# KiCad board Keyboard.kicad_pcb (continued)
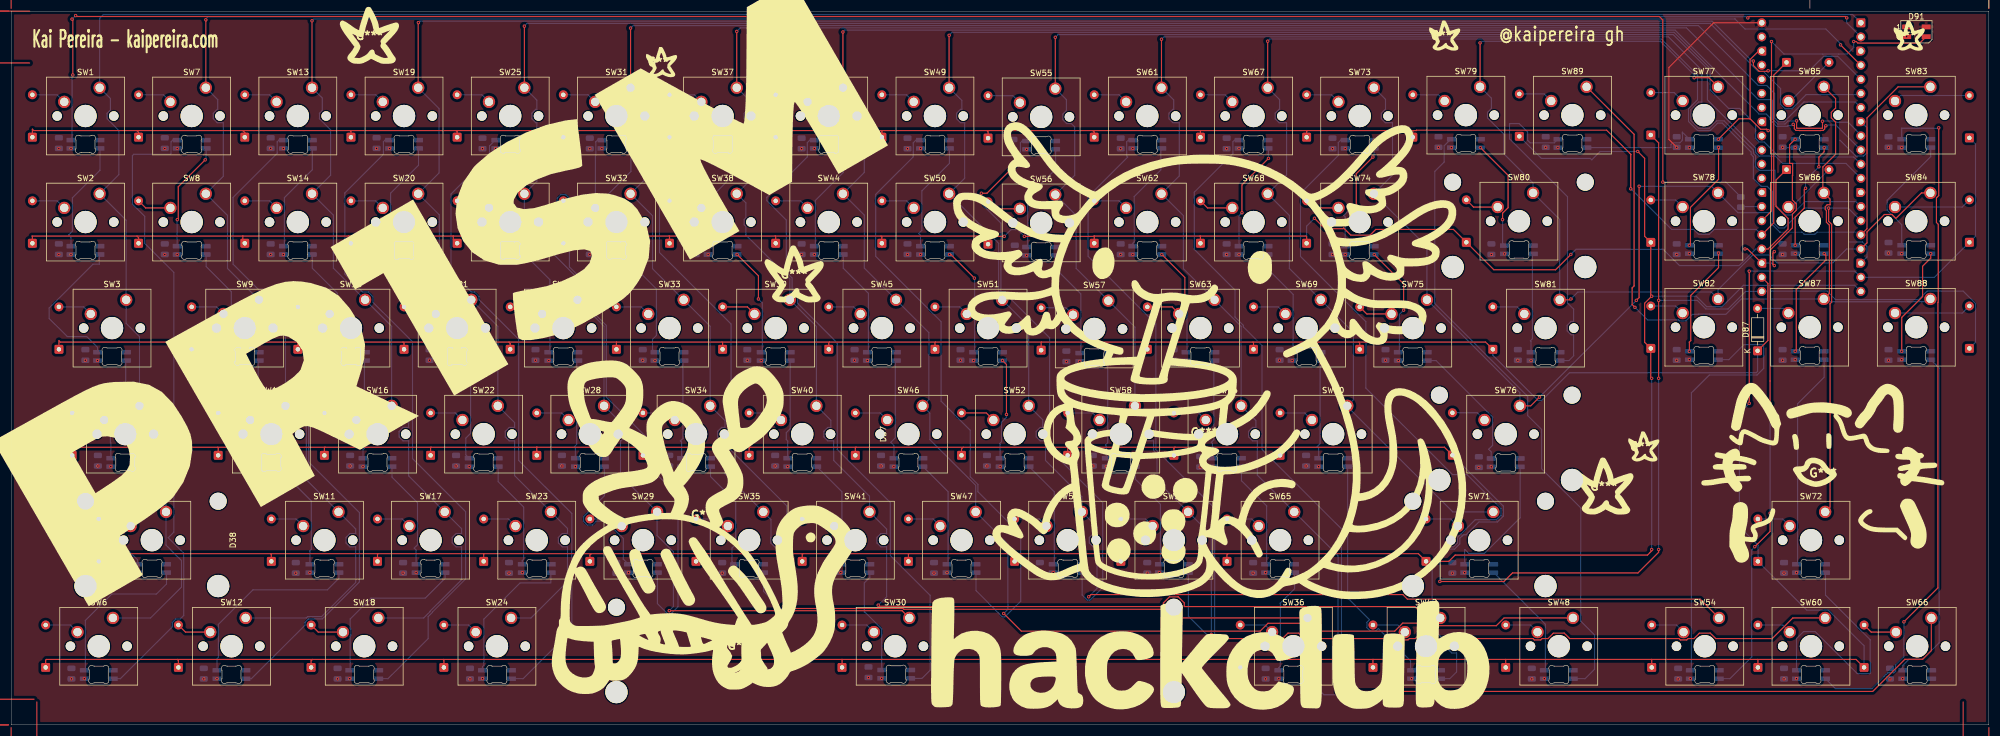
[diagram p0: board, top side]
## Placement (name value [footprint] x y rotation side) (continued)
SW75  SW_Push  [SW_Cherry_MX_1.00u_PCB]  254 76.36 0 top
SW76  SW_Push  [SW_Cherry_MX_2.25u_PCB]  270.67 57.31 0 top
SW77  SW_Push  [SW_Cherry_MX_1.00u_PCB]  306.22 114.62 0 top
SW78  SW_Push  [SW_Cherry_MX_1.00u_PCB]  306.22 95.57 0 top
SW79  SW_Push  [SW_Cherry_MX_1.00u_PCB]  263.52 114.62 0 top
SW80  SW_Push  [SW_Cherry_MX_2.00u_PCB]  273.04 95.57 0 top
SW81  SW_Push  [SW_Cherry_MX_1.50u_PCB]  277.81 76.36 0 top
SW82  SW_Push  [SW_Cherry_MX_1.00u_PCB]  306.22 76.52 0 top
SW83  SW_Push  [SW_Cherry_MX_1.00u_PCB]  344.32 114.62 0 top
SW84  SW_Push  [SW_Cherry_MX_1.00u_PCB]  344.32 95.57 0 top
SW85  SW_Push  [SW_Cherry_MX_1.00u_PCB]  325.2 114.62 0 top
SW86  SW_Push  [SW_Cherry_MX_1.00u_PCB]  325.2 95.57 0 top
SW87  SW_Push  [SW_Cherry_MX_1.00u_PCB]  325.2 76.52 0 top
SW88  SW_Push  [SW_Cherry_MX_1.00u_PCB]  344.32 76.52 0 top
SW89  SW_Push  [SW_Cherry_MX_1.00u_PCB]  282.63 114.62 0 top
U1  Pico  [RaspberryPi_Pico_Common_THT_BACKSIDE]  331.84 126.13 180 bottom

## Library data of the parts
C1-C89 = -: Description: Unpolarized capacitor; ki_fp_filters: C_*
D1-D89 = -: Datasheet: https://assets.nexperia.com/documents/data-sheet/1N4148_1N4448.pdf; Description: 100V 0.15A standard switching diode, DO-35; Sim.Device: D; Sim.Pins: 1=K 2=A; ki_fp_filters: D*DO?35*
D90-D179 = -: Datasheet: https://cdn-shop.adafruit.com/product-files/2686/SK6812MINI_REV.01-1-2.pdf; Description: RGB LED with integrated controller; ki_fp_filters: LED*SK6812MINI*PLCC*3.5x3.5mm*P1.75mm*
R1 = -: Description: Resistor; ki_fp_filters: R_*
SW1-SW89 = -: Description: Push button switch, generic, two pins

## Footprints (pads in the part's own frame, mm; a bottom-side part is the same pattern mirrored in y, then rotated)
C_0805_2012Metric
  rrect 1x1.45 smd: 1(-0.95,0) 2(0.95,0)
D_DO-35_SOD27_P7.62mm_Horizontal
  rrect 1.6x1.6 hole 0.8: 1(0,0)
  round 1.6 hole 0.8: 2(7.62,0)
LED_SK6812MINI_PLCC4_3.5x3.5mm_P1.75mm
  rect 1.6x0.85 smd: 1(-1.75,0.875) 2(-1.75,-0.875) 3(1.75,-0.875) 4(1.75,0.875)
MX_SK6812MINI-E_REV
  rrect 1.6x0.82 smd far side: 1(2.6,-5.83) 2(2.6,-4.33) 3(-2.6,-4.33) 4(-2.6,-5.83)
R_0805_2012Metric
  rrect 1.025x1.4 smd: 1(-0.912,0) 2(0.912,0)
RaspberryPi_Pico_Common_THT_BACKSIDE
  rrect 1.6x1.6 hole 1: 1(0,0)
  round 1.6 hole 1: 2(0,-2.54) 4(0,-7.62) 5(0,-10.16) 6(0,-12.7) 7(0,-15.24) 9(0,-20.32) 10(0,-22.86) 11(0,-25.4) 12(0,-27.94) 14(0,-33.02) 15(0,-35.56) 16(0,-38.1) 17(0,-40.64) 19(0,-45.72) 20(0,-48.26) 21(17.78,-48.26) 22(17.78,-45.72) 24(17.78,-40.64) 25(17.78,-38.1) 26(17.78,-35.56) 27(17.78,-33.02) 29(17.78,-27.94) 30(17.78,-25.4) 31(17.78,-22.86) 32(17.78,-20.32) 34(17.78,-15.24) 35(17.78,-12.7) 36(17.78,-10.16) 37(17.78,-7.62) 39(17.78,-2.54) 40(17.78,0)
  custom 1.6x1.6 hole 1: 3(0,-5.08) 8(0,-17.78) 13(0,-30.48) 18(0,-43.18) 23(17.78,-43.18) 28(17.78,-30.48) 33(17.78,-17.78) 38(17.78,-5.08)
SW_Cherry_MX_1.00u_PCB
  round 1.7 hole 1.7 unplated: (-7.62,-5.08) (2.54,-5.08)
  round 4 hole 4 unplated: (-2.54,-5.08)
  round 2.2 hole 1.5: 1(0,0) 2(-6.35,-2.54)
SW_Cherry_MX_1.25u_PCB
  round 1.7 hole 1.7 unplated: (-7.62,-5.08) (2.54,-5.08)
  round 4 hole 4 unplated: (-2.54,-5.08)
  round 2.2 hole 1.5: 1(0,0) 2(-6.35,-2.54)
SW_Cherry_MX_1.50u_PCB
  round 1.7 hole 1.7 unplated: (-7.62,-5.08) (2.54,-5.08)
  round 4 hole 4 unplated: (-2.54,-5.08)
  round 2.2 hole 1.5: 1(0,0) 2(-6.35,-2.54)
SW_Cherry_MX_1.75u_PCB
  round 1.7 hole 1.7 unplated: (-7.62,-5.08) (2.54,-5.08)
  round 4 hole 4 unplated: (-2.54,-5.08)
  round 2.2 hole 1.5: 1(0,0) 2(-6.35,-2.54)
SW_Cherry_MX_2.00u_PCB
  round 3.05 hole 3.05 unplated: (-14.44,1.92) (9.36,1.92)
  round 4 hole 4 unplated: (-14.44,-13.32) (-2.54,-5.08) (9.36,-13.32)
  round 1.7 hole 1.7 unplated: (-7.62,-5.08) (2.54,-5.08)
  round 2.2 hole 1.5: 1(0,0) 2(-6.35,-2.54)
SW_Cherry_MX_2.25u_PCB
  round 3.05 hole 3.05 unplated: (-14.44,1.92) (9.36,1.92)
  round 4 hole 4 unplated: (-14.44,-13.32) (-2.54,-5.08) (9.36,-13.32)
  round 1.7 hole 1.7 unplated: (-7.62,-5.08) (2.54,-5.08)
  round 2.2 hole 1.5: 1(0,0) 2(-6.35,-2.54)
SW_Cherry_MX_2.75u_PCB
  round 3.05 hole 3.05 unplated: (-14.44,1.92) (9.36,1.92)
  round 4 hole 4 unplated: (-14.44,-13.32) (-2.54,-5.08) (9.36,-13.32)
  round 1.7 hole 1.7 unplated: (-7.62,-5.08) (2.54,-5.08)
  round 2.2 hole 1.5: 1(0,0) 2(-6.35,-2.54)
SW_Cherry_MX_6.25u_PCB
  round 3.05 hole 3.05 unplated: (-52.54,1.92) (47.46,1.92)
  round 4 hole 4 unplated: (-52.54,-13.32) (-2.54,-5.08) (47.46,-13.32)
  round 1.7 hole 1.7 unplated: (-7.62,-5.08) (2.54,-5.08)
  round 2.2 hole 1.5: 1(0,0) 2(-6.35,-2.54)

## Nets
+5V: C1.1 C2.1 C3.1 C4.1 C5.1 C6.1 C7.1 C8.1 C9.1 C10.1 C11.1 C12.1 C13.1 C14.1 C15.1 C16.1 C17.1 C18.1 C19.1 C20.1 C21.1 C22.1 C23.1 C24.1 C25.1 C26.1 C27.1 C28.1 C29.1 C30.1 C31.1 C32.1 C33.1 C34.1 C35.1 C36.1 C37.1 C38.1 C39.1 C40.1 C41.1 C42.1 C43.1 C44.1 C45.1 C46.1 C47.1 C48.1 C49.1 C50.1 C51.1 C52.1 C53.1 C54.1 C55.1 C56.1 C57.1 C58.1 C59.1 C60.1 C61.1 C62.1 C63.1 C64.1 C65.1 C66.1 C67.1 C68.1 C69.1 C70.1 C71.1 C72.1 C73.1 C74.1 C75.1 C76.1 C77.1 C78.1 C79.1 C80.1 C81.1 C82.1 C83.1 C84.1 C85.1 C86.1 C87.1 C88.1 C89.1 D90.4 D91.4 D92.4 D93.4 D94.4 D95.4 D96.4 D97.4 D98.4 D99.4 D100.4 D101.4 D102.4 D103.4 D104.4 D105.4 D106.4 D107.4 D108.4 D109.4 D110.4 D111.4 D112.4 D113.4 D114.4 D115.4 D116.4 D117.4 D118.4 D119.4 D120.4 D121.4 D122.4 D123.4 D124.4 D125.4 D126.4 D127.4 D128.4 D129.4 D130.4 D131.4 D132.4 D133.4 D134.4 D135.4 D136.4 D137.4 D138.4 D139.4 D140.4 D141.4 D142.4 D143.4 D144.4 D145.4 D146.4 D147.4 D148.4 D149.4 D150.4 D151.4 D152.4 D153.4 D154.4 D155.4 D156.4 D157.4 D158.4 D159.4 D160.4 D161.4 D162.4 D163.4 D164.4 D165.4 D166.4 D167.4 D168.4 D169.4 D170.4 D171.4 D172.4 D173.4 D174.4 D175.4 D176.4 D177.4 D178.4 D179.4 U1.40
GND: C1.2 C2.2 C3.2 C4.2 C5.2 C6.2 C7.2 C8.2 C9.2 C10.2 C11.2 C12.2 C13.2 C14.2 C15.2 C16.2 C17.2 C18.2 C19.2 C20.2 C21.2 C22.2 C23.2 C24.2 C25.2 C26.2 C27.2 C28.2 C29.2 C30.2 C31.2 C32.2 C33.2 C34.2 C35.2 C36.2 C37.2 C38.2 C39.2 C40.2 C41.2 C42.2 C43.2 C44.2 C45.2 C46.2 C47.2 C48.2 C49.2 C50.2 C51.2 C52.2 C53.2 C54.2 C55.2 C56.2 C57.2 C58.2 C59.2 C60.2 C61.2 C62.2 C63.2 C64.2 C65.2 C66.2 C67.2 C68.2 C69.2 C70.2 C71.2 C72.2 C73.2 C74.2 C75.2 C76.2 C77.2 C78.2 C79.2 C80.2 C81.2 C82.2 C83.2 C84.2 C85.2 C86.2 C87.2 C88.2 C89.2 D90.2 D91.2 D92.2 D93.2 D94.2 D95.2 D96.2 D97.2 D98.2 D99.2 D100.2 D101.2 D102.2 D103.2 D104.2 D105.2 D106.2 D107.2 D108.2 D109.2 D110.2 D111.2 D112.2 D113.2 D114.2 D115.2 D116.2 D117.2 D118.2 D119.2 D120.2 D121.2 D122.2 D123.2 D124.2 D125.2 D126.2 D127.2 D128.2 D129.2 D130.2 D131.2 D132.2 D133.2 D134.2 D135.2 D136.2 D137.2 D138.2 D139.2 D140.2 D141.2 D142.2 D143.2 D144.2 D145.2 D146.2 D147.2 D148.2 D149.2 D150.2 D151.2 D152.2 D153.2 D154.2 D155.2 D156.2 D157.2 D158.2 D159.2 D160.2 D161.2 D162.2 D163.2 D164.2 D165.2 D166.2 D167.2 D168.2 D169.2 D170.2 D171.2 D172.2 D173.2 D174.2 D175.2 D176.2 D177.2 D178.2 D179.2 U1.3 U1.8 U1.13 U1.18 U1.23 U1.28 U1.38
BACKLIGHT LED: R1.1 U1.27
Col 0: SW1.1 SW2.1 SW3.1 SW4.1 SW5.1 SW6.1 U1.1
Col 1: SW7.1 SW8.1 SW9.1 SW10.1 SW11.1 SW12.1 U1.2
Col 2: SW13.1 SW14.1 SW15.1 SW16.1 SW17.1 SW18.1 U1.4
Col 3: SW19.1 SW20.1 SW21.1 SW22.1 SW23.1 SW24.1 U1.5
Col 4: SW25.1 SW26.1 SW27.1 SW28.1 SW29.1 SW30.1 U1.6
Col 5: SW31.1 SW32.1 SW33.1 SW34.1 SW35.1 SW36.1 U1.7
Col 6: SW37.1 SW38.1 SW39.1 SW40.1 SW41.1 SW42.1 U1.9
Col 7: SW43.1 SW44.1 SW45.1 SW46.1 SW47.1 SW48.1 U1.10
Col 8: SW49.1 SW50.1 SW51.1 SW52.1 SW53.1 SW54.1 U1.11
Col 9: SW55.1 SW56.1 SW57.1 SW58.1 SW59.1 SW60.1 U1.12
Col 10: SW61.1 SW62.1 SW63.1 SW64.1 SW65.1 SW66.1 U1.14
Col 11: SW67.1 SW68.1 SW69.1 SW70.1 SW71.1 SW72.1 U1.15
Col 12: SW73.1 SW74.1 SW75.1 SW76.1 SW78.1 SW83.1 U1.16
Col 13: SW77.1 SW79.1 SW80.1 SW81.1 SW82.1 SW84.1 U1.17
Col 14: SW85.1 SW86.1 SW87.1 SW88.1 SW89.1
POWER LED: D91.3 U1.26
Row 0: D6.1 D12.1 D18.1 D24.1 D30.1 D36.1 D42.1 D48.1 D54.1 D60.1 D66.1 D72.1 D83.1 D84.1 U1.19
Row 1: D5.1 D11.1 D17.1 D23.1 D29.1 D35.1 D41.1 D47.1 D53.1 D59.1 D65.1 D71.1 D78.1 D82.1 D89.1 U1.20
Row 2: D4.1 D10.1 D16.1 D22.1 D28.1 D34.1 D40.1 D46.1 D52.1 D58.1 D64.1 D70.1 D76.1 D77.1 D88.1 U1.21
Row 3: D3.1 D9.1 D15.1 D21.1 D27.1 D33.1 D39.1 D45.1 D51.1 D57.1 D63.1 D69.1 D75.1 D81.1 D87.1 U1.22
Row 4: D2.1 D8.1 D14.1 D20.1 D26.1 D32.1 D38.1 D44.1 D50.1 D56.1 D62.1 D68.1 D74.1 D80.1 D86.1 U1.24
Row 5: D1.1 D7.1 D13.1 D19.1 D25.1 D31.1 D37.1 D43.1 D49.1 D55.1 D61.1 D67.1 D73.1 D79.1 D85.1 U1.25
Net-(D1-A): D1.2 SW1.2
Net-(D2-A): D2.2 SW2.2
Net-(D3-A): D3.2 SW3.2
Net-(D4-A): D4.2 SW4.2
Net-(D5-A): D5.2 SW5.2
Net-(D6-A): D6.2 SW6.2
Net-(D7-A): D7.2 SW7.2
Net-(D8-A): D8.2 SW8.2
Net-(D9-A): D9.2 SW9.2
Net-(D10-A): D10.2 SW10.2
Net-(D11-A): D11.2 SW11.2
Net-(D12-A): D12.2 SW12.2
Net-(D13-A): D13.2 SW13.2
Net-(D14-A): D14.2 SW14.2
Net-(D15-A): D15.2 SW15.2
Net-(D16-A): D16.2 SW16.2
Net-(D17-A): D17.2 SW17.2
Net-(D18-A): D18.2 SW18.2
Net-(D19-A): D19.2 SW19.2
Net-(D20-A): D20.2 SW20.2
Net-(D21-A): D21.2 SW21.2
Net-(D22-A): D22.2 SW22.2
Net-(D23-A): D23.2 SW23.2
Net-(D24-A): D24.2 SW24.2
Net-(D25-A): D25.2 SW25.2
Net-(D26-A): D26.2 SW26.2
Net-(D27-A): D27.2 SW27.2
Net-(D28-A): D28.2 SW28.2
Net-(D29-A): D29.2 SW29.2
Net-(D30-A): D30.2 SW30.2
Net-(D31-A): D31.2 SW31.2
Net-(D32-A): D32.2 SW32.2
Net-(D33-A): D33.2 SW33.2
Net-(D34-A): D34.2 SW34.2
Net-(D35-A): D35.2 SW35.2
Net-(D36-A): D36.2 SW36.2
Net-(D37-A): D37.2 SW37.2
Net-(D38-A): D38.2 SW38.2
Net-(D39-A): D39.2 SW39.2
Net-(D40-A): D40.2 SW40.2
Net-(D41-A): D41.2 SW41.2
Net-(D42-A): D42.2 SW42.2
Net-(D43-A): D43.2 SW43.2
Net-(D44-A): D44.2 SW44.2
Net-(D45-A): D45.2 SW45.2
Net-(D46-A): D46.2 SW46.2
Net-(D47-A): D47.2 SW47.2
Net-(D48-A): D48.2 SW48.2
Net-(D49-A): D49.2 SW49.2
Net-(D50-A): D50.2 SW50.2
Net-(D51-A): D51.2 SW51.2
Net-(D52-A): D52.2 SW52.2
Net-(D53-A): D53.2 SW53.2
Net-(D54-A): D54.2 SW54.2
Net-(D55-A): D55.2 SW55.2
Net-(D56-A): D56.2 SW56.2
Net-(D57-A): D57.2 SW57.2
Net-(D58-A): D58.2 SW58.2
Net-(D59-A): D59.2 SW59.2
Net-(D60-A): D60.2 SW60.2
Net-(D61-A): D61.2 SW61.2
Net-(D62-A): D62.2 SW62.2
Net-(D63-A): D63.2 SW63.2
Net-(D64-A): D64.2 SW64.2
Net-(D65-A): D65.2 SW65.2
Net-(D66-A): D66.2 SW66.2
Net-(D67-A): D67.2 SW67.2
Net-(D68-A): D68.2 SW68.2
Net-(D69-A): D69.2 SW69.2
Net-(D70-A): D70.2 SW70.2
Net-(D71-A): D71.2 SW71.2
Net-(D72-A): D72.2 SW72.2
Net-(D73-A): D73.2 SW73.2
Net-(D74-A): D74.2 SW74.2
Net-(D75-A): D75.2 SW75.2
Net-(D76-A): D76.2 SW76.2
Net-(D77-A): D77.2 SW77.2
Net-(D78-A): D78.2 SW78.2
Net-(D79-A): D79.2 SW79.2
Net-(D80-A): D80.2 SW80.2
Net-(D81-A): D81.2 SW81.2
Net-(D82-A): D82.2 SW82.2
Net-(D83-A): D83.2 SW83.2
Net-(D84-A): D84.2 SW84.2
Net-(D85-A): D85.2 SW85.2
Net-(D86-A): D86.2 SW86.2
Net-(D87-A): D87.2 SW87.2
Net-(D88-A): D88.2 SW88.2
Net-(D89-A): D89.2 SW89.2
Net-(D90-DIN): D90.3 D92.1
Net-(D90-DOUT): D90.1 D93.3
Net-(D92-DIN): D92.3 R1.2
Net-(D93-DOUT): D93.1 D94.3
Net-(D94-DOUT): D94.1 D95.3
Net-(D95-DOUT): D95.1 D96.3
Net-(D96-DOUT): D96.1 D97.3
Net-(D97-DOUT): D97.1 D98.3
Net-(D98-DOUT): D98.1 D99.3
Net-(D100-DIN): D99.1 D100.3
Net-(D100-DOUT): D100.1 D101.3
Net-(D101-DOUT): D101.1 D102.3
Net-(D102-DOUT): D102.1 D103.3
Net-(D103-DOUT): D103.1 D104.3
Net-(D104-DOUT): D104.1 D105.3
Net-(D105-DOUT): D105.1 D106.3
Net-(D106-DOUT): D106.1 D107.3
Net-(D107-DOUT): D107.1 D108.3
Net-(D108-DOUT): D108.1 D109.3
Net-(D109-DOUT): D109.1 D110.3
Net-(D110-DOUT): D110.1 D111.3
Net-(D111-DOUT): D111.1 D112.3
Net-(D112-DOUT): D112.1 D113.3
Net-(D113-DOUT): D113.1 D114.3
Net-(D114-DOUT): D114.1 D115.3
Net-(D115-DOUT): D115.1 D116.3
Net-(D116-DOUT): D116.1 D117.3
Net-(D117-DOUT): D117.1 D118.3
Net-(D118-DOUT): D118.1 D119.3
Net-(D119-DOUT): D119.1 D120.3
Net-(D120-DOUT): D120.1 D121.3
Net-(D121-DOUT): D121.1 D122.3
Net-(D122-DOUT): D122.1 D123.3
Net-(D123-DOUT): D123.1 D124.3
Net-(D124-DOUT): D124.1 D125.3
Net-(D125-DOUT): D125.1 D126.3
Net-(D126-DOUT): D126.1 D127.3
Net-(D127-DOUT): D127.1 D128.3
Net-(D128-DOUT): D128.1 D129.3
Net-(D129-DOUT): D129.1 D130.3
Net-(D130-DOUT): D130.1 D131.3
Net-(D131-DOUT): D131.1 D132.3
Net-(D132-DOUT): D132.1 D133.3
Net-(D133-DOUT): D133.1 D134.3
Net-(D134-DOUT): D134.1 D135.3
Net-(D135-DOUT): D135.1 D136.3
Net-(D136-DOUT): D136.1 D137.3
Net-(D137-DOUT): D137.1 D138.3
Net-(D138-DOUT): D138.1 D139.3
Net-(D139-DOUT): D139.1 D140.3
Net-(D140-DOUT): D140.1 D141.3
Net-(D141-DOUT): D141.1 D142.3
Net-(D142-DOUT): D142.1 D143.3
Net-(D143-DOUT): D143.1 D144.3
Net-(D144-DOUT): D144.1 D145.3
Net-(D145-DOUT): D145.1 D146.3
Net-(D146-DOUT): D146.1 D147.3
Net-(D147-DOUT): D147.1 D148.3
Net-(D148-DOUT): D148.1 D149.3
Net-(D149-DOUT): D149.1 D150.3
Net-(D150-DOUT): D150.1 D151.3
Net-(D151-DOUT): D151.1 D152.3
Net-(D152-DOUT): D152.1 D153.3
Net-(D153-DOUT): D153.1 D154.3
Net-(D154-DOUT): D154.1 D155.3
Net-(D155-DOUT): D155.1 D156.3
Net-(D156-DOUT): D156.1 D157.3
Net-(D157-DOUT): D157.1 D158.3
Net-(D158-DOUT): D158.1 D159.3
Net-(D159-DOUT): D159.1 D160.3
Net-(D160-DOUT): D160.1 D161.3
Net-(D161-DOUT): D161.1 D162.3
Net-(D162-DOUT): D162.1 D163.3
Net-(D163-DOUT): D163.1 D164.3
Net-(D164-DOUT): D164.1 D165.3
Net-(D165-DOUT): D165.1 D166.3
Net-(D166-DOUT): D166.1 D167.3
Net-(D167-DOUT): D167.1 D168.3
Net-(D168-DOUT): D168.1 D169.3
Net-(D169-DOUT): D169.1 D170.3
Net-(D170-DOUT): D170.1 D171.3
Net-(D171-DOUT): D171.1 D172.3
Net-(D172-DOUT): D172.1 D173.3
Net-(D173-DOUT): D173.1 D174.3
Net-(D174-DOUT): D174.1 D175.3
Net-(D175-DOUT): D175.1 D176.3
Net-(D176-DOUT): D176.1 D177.3
Net-(D177-DOUT): D177.1 D178.3
Net-(D178-DOUT): D178.1 D179.3

Pads without a net: D91 1; D179 1; U1 29 30 31 32 33 34 35 36 37 39

## Via types
v1: diameter 0.6, hole 0.3, Top to Bottom, 278 vias

## Routing (per net, layer and track width the routed paths; a pad name or vN(x,y) marks a point on that pad's centre or on a via; arc(x,y) is an arc through that point)
+5V: length 37.2
  Top w0.2: v1(298.81,103.76) 297.4,105.17 297.4,118.09 305.43,126.13 U1.40
  Bottom w0.2: v1(317.81,103.76) 318.31,103.76 318.36,103.71 v1(320.06,103.71)
  vias: v1(8.56,103.56) v1(8.56,84.51) v1(10.73,103.55) v1(10.73,84.5) v1(10.81,8.26) v1(13.12,8.3) v1(13.31,65.51) v1(15.5,65.45) v1(15.56,46.51) v1(17.88,46.4) v1(20.31,27.26) v1(22.68,27.35) v1(27.56,103.56) v1(27.56,84.51) v1(29.79,103.55) v1(29.79,84.5) v1(34.56,8.26) v1(36.93,8.3) v1(37.06,65.26) v1(39.31,65.45) v1(41.81,46.51) v1(44.07,46.4) v1(46.56,103.56) v1(46.56,84.51) v1(48.84,103.55) v1(48.84,84.5) v1(51.06,27.26) v1(53.6,27.35) v1(56.06,65.51) v1(58.36,65.45) v1(58.56,8.26) v1(60.74,8.3) v1(60.81,46.51) v1(63.12,46.4) v1(65.56,103.56) v1(65.56,84.51) v1(67.88,103.55) v1(67.88,84.5) v1(70.31,27.26) v1(72.65,27.35) v1(75.06,65.51) v1(77.41,65.45) v1(79.81,46.51) v1(82.17,46.4) v1(82.31,8.26) v1(84.55,8.3) v1(84.56,103.51) v1(84.56,84.51) v1(86.94,103.55) v1(86.94,84.5) v1(89.31,27.26) v1(91.7,27.35) v1(94.06,65.51) v1(96.46,65.45) v1(98.81,46.51) v1(101.22,46.4) v1(103.81,103.51) v1(103.81,84.51) v1(105.98,103.55) v1(105.98,84.5) v1(108.56,27.26) v1(110.75,27.35) v1(113.31,65.51) v1(115.51,65.45) v1(118.06,46.51) v1(120.27,46.4) v1(122.81,103.51) v1(122.81,84.51) v1(125.03,103.55) v1(125.03,84.5) v1(127.56,27.26) v1(129.8,27.35) v1(132.06,65.51) v1(134.56,65.45) v1(137.06,46.51) v1(139.32,46.4) v1(141.81,103.51) v1(141.81,84.51) v1(144.08,103.55) v1(144.08,84.5) v1(146.56,27.26) v1(148.85,27.35) v1(151.31,65.51) v1(153.61,65.45) v1(153.81,8.51) v1(156.06,46.51) v1(156.18,8.35) v1(158.37,46.4) v1(160.81,103.51) v1(160.81,84.51) v1(163.13,103.55) v1(163.13,84.5) v1(165.56,27.26) v1(167.9,27.35) v1(170.31,65.51) v1(172.66,65.45) v1(175.06,46.51) v1(177.42,46.4) v1(179.81,103.26) v1(180.06,84.26) v1(182.19,103.39) v1(182.19,84.34) v1(184.56,27.26) v1(186.95,27.35) v1(189.31,65.26) v1(191.71,65.29) v1(194.06,46.51) v1(196.47,46.4) v1(199.06,103.51) v1(199.06,84.51) v1(201.24,103.55) v1(201.24,84.5) v1(203.81,27.26) v1(206,27.35) v1(208.56,65.51) v1(210.76,65.45) v1(213.31,46.31) v1(215.52,46.4) v1(218.06,103.51) v1(218.06,84.51) v1(220.28,103.55) v1(220.28,84.5) v1(222.81,27.26) v1(225.05,27.35) v1(225.06,8.26) v1(227.43,8.3) v1(227.56,65.51) v1(229.81,65.45) v1(232.31,46.51) v1(234.57,46.4) v1(237.06,103.51) v1(237.06,84.51) v1(239.34,103.55) v1(239.34,84.5) v1(246.56,65.51) v1(248.86,65.45) v1(249.06,8.26) v1(251.24,8.3) v1(256.06,103.76) v1(258.38,103.71) v1(258.56,27.26) v1(260.77,27.35) v1(263.31,46.26) v1(265.53,46.35) v1(265.56,84.51) v1(267.9,84.6) v1(270.31,65.51) v1(272.67,65.45) v1(272.81,8.26) v1(275.05,8.3) v1(275.31,103.76) v1(277.49,103.71) v1(298.81,84.51) v1(298.81,65.51) v1(299.06,8.26) v1(301.08,103.71) v1(301.08,84.66) v1(301.08,65.61) v1(301.25,8.3) v1(317.81,84.51) v1(317.81,65.51) v1(318.06,27.26) v1(318.06,8.26) v1(320.06,84.66) v1(320.06,65.61) v1(320.3,27.35) v1(320.3,8.3) v1(336.81,103.76) v1(336.81,84.76) v1(336.81,65.51) v1(337.06,8.26) v1(339.18,103.71) v1(339.18,84.66) v1(339.18,65.61) v1(339.35,8.3)
GND: length 53.1
  Top w0.2: v1(311.06,85.51) 311.5,85.51 U1.23 ; v1(316.31,85.01) 316.06,84.76 316.06,82.76 v1(316.31,82.51) ; v1(315.21,106.76) 314.96,107.01 313.84,107.01 311.96,108.88 ; v1(306.28,105.21) 309.96,108.88 311.96,108.88 ; 311.96,108.88 311.96,119.51 313.5,121.05 U1.38
  Bottom w0.2: v1(316.31,82.51) 315.87,82.95 U1.23 ; 328.06,105.01 328.13,105.01 330.97,102.17 332.3,102.17 332.94,102.81 332.94,107.25 U1.8 ; U1.18 332.94,84.05 332.94,85.94 332.13,86.76 329.81,86.76
  vias: v1(340.06,123.63)
BACKLIGHT LED: length 3.8
  Bottom w0.2: R1.1 310.41,93.11 U1.27
Col 0: length 443.1
  Bottom w0.2: SW6.1 25.02,19.21 30.56,24.76 30.56,29.51 27.78,32.29 SW5.1 27.78,52.55 SW4.1 23.02,69.74 20.64,72.12 SW3.1 20.64,90.65 SW2.1 19.31,98.85 19.31,106.78 17.21,108.88 17.21,109.88 17.81,110.47 17.81,112.52 SW1.1 15.88,126.93 16.56,127.62 330.35,127.62 U1.1
Col 1: length 442
  Top w0.2: SW7.1 v1(34.92,126.66) ; v1(311.56,127.01) 311.81,127.26 329.06,127.26 v1(329.31,127.01) ; 331.84,124.23 U1.2
  Bottom w0.2: U1.2 329.31,126.12 v1(329.31,127.01) ; v1(311.56,127.01) 311.35,127.22 35.31,127.22 34.92,126.83 ; SW11.1 61.81,35.18 61.81,34.34 61.77,34.38 60.78,34.38 60.08,33.68 60.08,32.68 60.78,31.98 61.77,31.98 61.81,32.02 61.81,25.57 55.68,19.44 53.19,19.44 52.96,19.21 SW12.1 ; SW11.1 52.95,44.04 52.95,53.57 SW10.1 49.21,71.6 SW9.1 38.81,82 38.81,91.52 SW8.1 38.06,98.55 38.06,108.18 36.97,108.18 36.26,108.88 36.26,109.88 36.97,110.58 37.06,110.58 37.06,112.32 SW7.1 ; SW11.1 57.95,38.26
Col 2: length 420.1
  Top w0.2: SW13.1 v1(53.98,126.48) ; v1(328.2,122.15) U1.4
  Bottom w0.2: SW17.1 80.81,35.23 80.81,34.38 79.83,34.38 79.13,33.68 79.13,32.68 79.83,31.98 80.81,31.98 80.81,26.07 75.16,20.42 75.16,20.36 74.02,19.21 SW18.1 ; SW17.1 71.31,44.73 71.31,51.04 71.3,51.03 70.31,51.03 69.6,51.73 69.6,52.73 70.31,53.43 71.3,53.43 71.31,53.42 71.31,54.26 SW16.1 68.26,71.6 SW15.1 57.81,82.05 57.81,91.57 SW14.1 57.31,98.75 57.31,106.88 55.31,108.88 55.31,109.88 55.81,110.37 55.81,112.62 SW13.1 ; SW17.1 76.95,38.26 ; 309.25,126.82 311.06,125.01 325.56,125.01 328.2,122.37 v1(328.2,122.15) ; 309.25,126.82 309.28,126.82 ; 309.25,126.82 54.31,126.82 v1(53.98,126.48)
Col 3: length 398.4
  Top w0.2: v1(315.21,117.51) 315.11,117.41 313.61,117.41 312.56,118.45 v1(312.56,119.26) ; SW19.1 73.03,126.13 v1(73.06,126.16)
  Bottom w0.2: SW24.1 93.27,19.21 99.81,25.76 99.81,31.98 98.88,31.98 98.18,32.68 98.18,33.68 98.88,34.38 99.81,34.38 99.81,35.28 SW23.1 90.31,44.78 90.31,51.03 89.36,51.03 88.65,51.73 88.65,52.73 89.36,53.43 90.31,53.43 90.31,54.31 SW22.1 87.31,71.6 SW21.1 76.81,82.1 76.81,91.62 SW20.1 76.77,99.15 76.77,110.72 SW19.1 ; 73.03,126.13 v1(73.06,126.16) 73.31,126.41 305.15,126.41 312.31,119.26 v1(312.56,119.26) ; U1.5 327.7,120.11 325.16,120.11 322.56,117.51 v1(315.21,117.51)
Col 4: length 412.7
  Top w0.2: SW25.1 v1(92.08,125.53) ; v1(118.06,20.51) 159.83,20.51 SW30.1
  Bottom w0.2: SW25.1 94.31,112.22 94.31,110.58 94.12,110.58 93.41,109.88 93.41,108.88 94.12,108.18 94.31,108.18 94.31,97.65 SW26.1 92.08,89.79 101.6,80.26 SW27.1 106.36,71.6 SW28.1 109.31,54.36 109.31,53.43 109.4,53.43 110.1,52.73 110.1,51.73 109.4,51.03 109.31,51.03 109.31,44.83 SW29.1 115.89,34.02 118.81,31.1 118.81,21.26 v1(118.06,20.51) ; U1.6 331.63,113.22 322.02,113.22 319.48,110.68 318.27,110.68 317.45,111.5 317.45,114.3 314.34,117.41 313.42,117.41 304.81,126.01 92.56,126.01 v1(92.08,125.53)
Col 5: length 447.9
  Top w0.2: SW31.1 v1(111.12,125.18) ; SW36.1 207.86,19.21 206.31,20.76 160.15,20.76 160,20.91 138.91,20.91 v1(138.56,21.26)
  Bottom w0.2: SW31.1 113.56,112.02 113.56,110.58 113.17,110.58 112.46,109.88 112.46,108.88 113.17,108.18 113.56,108.18 113.56,97.85 SW32.1 115.06,91.47 115.06,81.95 SW33.1 125.41,71.6 SW34.1 128.06,54.66 128.06,53.43 127.46,53.43 126.75,52.73 126.75,51.73 127.46,51.03 128.06,51.03 128.06,45.13 SW35.1 136.31,36.88 136.31,33.71 136.28,33.68 136.28,32.68 138.56,30.4 v1(138.56,21.26) ; v1(111.12,125.18) 111.56,125.61 302.71,125.61 313.45,114.87 314.94,114.87 316.38,113.43 316.38,109.04 317.08,108.34 318.08,108.34 321.63,111.89 330.84,111.89 U1.7
Col 6: length 442
  Top w0.2: v1(324.96,108.44) 324.96,107.23 324.92,107.19 320.38,107.19 320.31,107.26 v1(320.31,108.51) ; SW37.1 v1(130.18,124.57) ; v1(155.56,21.51) 155.76,21.31 160.17,21.31 160.22,21.26 206.72,21.26 206.72,21.91 207.81,23 209.37,23 210.47,21.91 210.47,21.26 251.82,21.26 253.87,19.21 SW42.1
  Bottom w0.2: U1.9 331.84,105.98 329.56,108.26 327.32,108.26 327.11,108.47 325,108.47 v1(324.96,108.44) ; v1(320.31,108.51) 320.3,108.49 318.8,108.49 318.24,107.94 316.92,107.94 315.98,108.87 315.98,112.16 315.81,112.33 313.45,112.33 300.56,125.21 130.81,125.21 v1(130.18,124.57) ; SW37.1 132.56,112.07 132.56,110.58 132.22,110.58 131.51,109.88 131.51,108.88 132.22,108.18 132.56,108.18 132.56,97.8 SW38.1 131.81,93.77 131.81,91.12 131.51,90.83 131.51,89.83 131.81,89.53 131.81,88.01 139.7,80.12 SW39.1 144.46,71.6 SW40.1 147.06,54.71 147.06,53.43 146.51,53.43 145.8,52.73 145.8,51.73 146.51,51.03 147.56,51.03 147.56,47.51 153.99,41.08 SW41.1 157.06,35.18 157.06,34.34 157.02,34.38 156.03,34.38 155.33,33.68 155.33,32.68 156.03,31.98 157.02,31.98 157.06,32.02 157.06,23.01 v1(155.56,21.51)
Col 7: length 420.8
  Top w0.2: v1(325.56,107.62) 325.45,107.62 325.36,107.53 325.36,107.06 325.09,106.79 324.62,106.79 324.59,106.76 320.84,106.76 320.81,106.79 320.22,106.79 319.91,107.09 319.91,107.69 v1(319.71,107.88) ; SW43.1 v1(149.22,124.47) ; SW48.1 267.84,19.21 266.44,17.81 255.8,17.81 255.33,18.28 249.66,18.28 248.22,16.84 232.96,16.84 231.55,18.24 225.48,18.24 224.07,16.84 181.23,16.84 v1(178.06,20.01)
  Bottom w0.2: v1(178.06,20.01) 178.81,20.76 178.81,32.48 SW47.1 173.04,43.03 164.81,51.26 164.81,56.01 SW46.1 164.63,58.43 164.63,70.47 SW45.1 153.06,82.05 153.06,91.57 SW44.1 153.06,99.25 153.06,108.78 152.97,108.88 152.97,109.88 152.31,110.53 152.31,111.37 SW43.1 ; v1(149.22,124.47) 149.56,124.81 298.51,124.81 313.56,109.76 314.83,109.76 315.58,109.01 315.58,108.71 316.75,107.53 318.66,107.53 318.77,107.64 319.47,107.64 v1(319.71,107.88) ; v1(325.56,107.62) 325.56,107.73 325.59,107.76 327.35,107.76 U1.10
Col 8: length 412.2
  Top w0.2: v1(193.31,23.01) 193.71,23.41 249.67,23.41 250.49,22.59 303.01,22.59 SW54.1 ; SW49.1 v1(168.28,123.87)
  Bottom w0.2: U1.11 330.56,102.01 317.22,102.01 314.52,104.71 313.61,104.71 312.96,105.36 312.96,107.89 310.11,110.74 308.12,110.74 304.81,114.04 304.81,117.94 298.34,124.41 168.81,124.41 v1(168.28,123.87) ; SW49.1 170.56,112.17 170.56,110.58 170.32,110.58 169.61,109.88 169.61,108.88 170.32,108.18 171.06,108.18 171.06,98.2 SW50.1 177.16,86.52 177.16,77 SW51.1 182.56,71.6 SW52.1 185.06,54.81 185.06,53.43 184.61,53.43 183.9,52.73 183.9,51.73 184.61,51.03 185.56,51.03 185.56,47.51 192.09,40.98 SW53.1 194.81,35.53 194.81,34.38 194.13,34.38 193.43,33.68 193.43,32.68 194.13,31.98 194.81,31.98 194.81,24.51 v1(193.31,23.01)
Col 9: length 399.5
  Top w0.2: SW60.1 319.65,19.21 315.94,15.51 305.79,15.51 304.82,16.48 302.87,16.48 301.9,15.51 300.86,15.51 300.62,15.27 299.46,15.27 299.22,15.51 279.6,15.51 278.63,16.48 276.68,16.48 275.71,15.51 274.66,15.51 274.42,15.27 273.26,15.27 273.02,15.51 255.79,15.51 254.82,16.48 252.87,16.48 251.89,15.51 250.85,15.51 250.61,15.27 249.45,15.27 249.21,15.51 231.98,15.51 231,16.48 229.05,16.48 228.08,15.51 227.04,15.51 226.8,15.27 225.64,15.27 225.4,15.51 216.04,15.51 v1(215.31,16.24) ; SW55.1 v1(187.32,123.52)
  Bottom w0.2: SW55.1 189.31,112.31 189.31,110.37 188.66,109.72 188.66,108.72 189.37,108.02 190.2,108.02 190.81,107.41 190.81,98.74 SW56.1 191.06,91.51 191.06,90.67 191.07,90.67 191.07,89.67 191.06,89.67 191.06,81.99 SW57.1 201.61,71.44 SW58.1 203.81,55.11 203.81,53.43 203.66,53.43 202.95,52.73 202.95,51.73 203.66,51.03 204.95,51.03 204.95,49.29 205.56,48.68 205.56,43.83 SW59.1 215.31,34.08 v1(215.31,16.24) ; v1(187.32,123.52) 187.81,124.01 298.18,124.01 304.31,117.87 304.31,112.29 312.96,103.64 312.96,102.81 313.61,102.17 316.49,102.17 317.8,100.86 329.17,100.86 U1.12
Col 10: length 406.6
  Top w0.2: v1(238.06,6.01) 333.96,6.01 339.73,11.78 342.92,11.78 344.49,13.34 SW66.1 ; SW61.1 v1(206.38,123.17)
  Bottom w0.2: v1(238.06,6.01) 238.06,30.38 SW65.1 223.56,44.88 223.56,51.03 222.71,51.03 222,51.73 222,52.73 222.71,53.43 223.31,53.43 223.31,54.66 SW64.1 220.66,71.6 SW63.1 210.31,81.95 210.31,91.47 SW62.1 209.56,98.6 209.56,108.18 208.42,108.18 207.71,108.88 207.71,109.88 208.42,110.58 208.56,110.58 208.56,112.27 SW61.1 ; v1(206.38,123.17) 206.81,123.61 297.31,123.61 303.31,117.61 303.31,111.89 302.71,111.89 301.33,110.51 301.33,108.56 302.71,107.19 304.65,107.19 305.97,108.51 307.31,108.51 312.56,103.26 312.56,102.64 312.96,102.24 312.96,100.27 313.61,99.63 316.43,99.63 316.43,93.46 318.27,91.63 319.43,91.63 321.81,94.01 330.94,94.01 U1.14
Col 11: length 303.1
  Top w0.2: SW72.1 326.31,39.13 326.31,75.65 326.6,75.94 326.6,89.93 326.06,90.47 v1(326.06,92.84) ; SW67.1 v1(225.43,122.82)
  Bottom w0.2: U1.15 329.57,92.84 v1(326.06,92.84) 321.69,92.84 318.13,89.29 317.08,89.29 316.03,90.34 316.03,95.76 315.03,96.75 313.94,96.75 312.56,98.13 312.56,102.08 312.16,102.48 312.16,102.91 306.96,108.11 306.14,108.11 304.82,106.79 302.54,106.79 300.93,108.4 300.93,110.68 302.54,112.29 302.54,116.73 296.06,123.21 225.81,123.21 v1(225.43,122.82) ; SW71.1 258.63,38.26 239.71,57.18 SW70.1 240.81,58.41 240.81,70.5 SW69.1 229.31,82 229.31,91.52 SW68.1 228.81,98.8 228.81,108.18 227.47,108.18 226.76,108.88 226.76,109.88 227.47,110.58 227.56,110.58 227.56,112.32 SW67.1
Col 12: length 201.5
  Top w0.2: v1(291.56,76.26) 292.06,76.76 v1(292.06,96.76) ; SW76.1 272.62,57.31 v1(274.19,58.88) ; SW83.1 338.53,114.62 332.95,109.04 332.95,89.13 U1.16
  Bottom w0.2: v1(292.06,96.76) 305.03,96.76 SW78.1 309.78,92.01 315.63,92.01 315.63,90.17 317.3,88.51 321.32,88.51 321.69,88.14 323.63,88.14 324,88.51 331.36,88.51 U1.16 ; SW76.1 270.67,59.69 SW75.1 254,85.88 SW74.1 247.81,98.75 247.81,108.18 246.52,108.18 245.81,108.88 245.81,109.88 246.52,110.58 246.56,110.58 246.56,112.37 SW73.1 ; v1(291.56,76.26) v1(274.19,58.88)
Col 13: length 178.7
  Top w0.2: 280.06,76.51 v1(279.81,76.51) 279.67,76.36 SW81.1 ; SW79.1 v1(263.52,122.52) ; U1.17 332.94,86.59 332.94,88.56 336.07,91.69 337.43,91.69 338.13,90.98 342.71,95.57 SW84.1 ; SW77.1 304.58,116.26 v1(301.94,116.26)
  Bottom w0.2: v1(279.81,76.51) 281.06,77.76 304.98,77.76 SW82.1 306.22,78.16 312.44,84.39 315.43,84.39 316.81,83.01 326.81,83.01 329.29,85.49 U1.17 ; v1(263.52,122.52) 263.81,122.81 295.9,122.81 301.94,116.76 v1(301.94,116.26) ; SW79.1 265.56,112.58 265.56,110.73 264.86,110.03 264.86,109.04 267.81,106.09 267.81,102.57 273.04,97.34 SW80.1 277.81,90.8 SW81.1
Col 14: length 142.1
  Top w0.2: SW89.1 291.16,106.09 291.16,78.86 290.81,78.51 290.81,75.51 v1(291.31,75.01) ; SW85.1 327.31,112.5 327.31,110.74 327.24,110.74 326.54,110.03 326.54,109.04 327.24,108.34 327.31,108.34 327.31,102.5 325.02,100.21 325.02,95.75 SW86.1 326.31,94.45 326.31,93.44 326.31,93.44 325.81,93.44 325.46,93.09 325.46,92.59 325.66,92.39 325.66,90.3 326.2,89.76 326.2,77.52 SW87.1
  Bottom w0.2: SW88.1 343.81,76.01 325.71,76.01 SW87.1 310.39,76.52 307.63,73.76 304.69,73.76 304.65,73.79 302.71,73.79 302.67,73.76 301.63,73.76 300.45,72.58 299.29,72.58 299.11,72.76 293.56,72.76 v1(291.31,75.01)
